# KiCad board motherboard.kicad_pcb (continued)
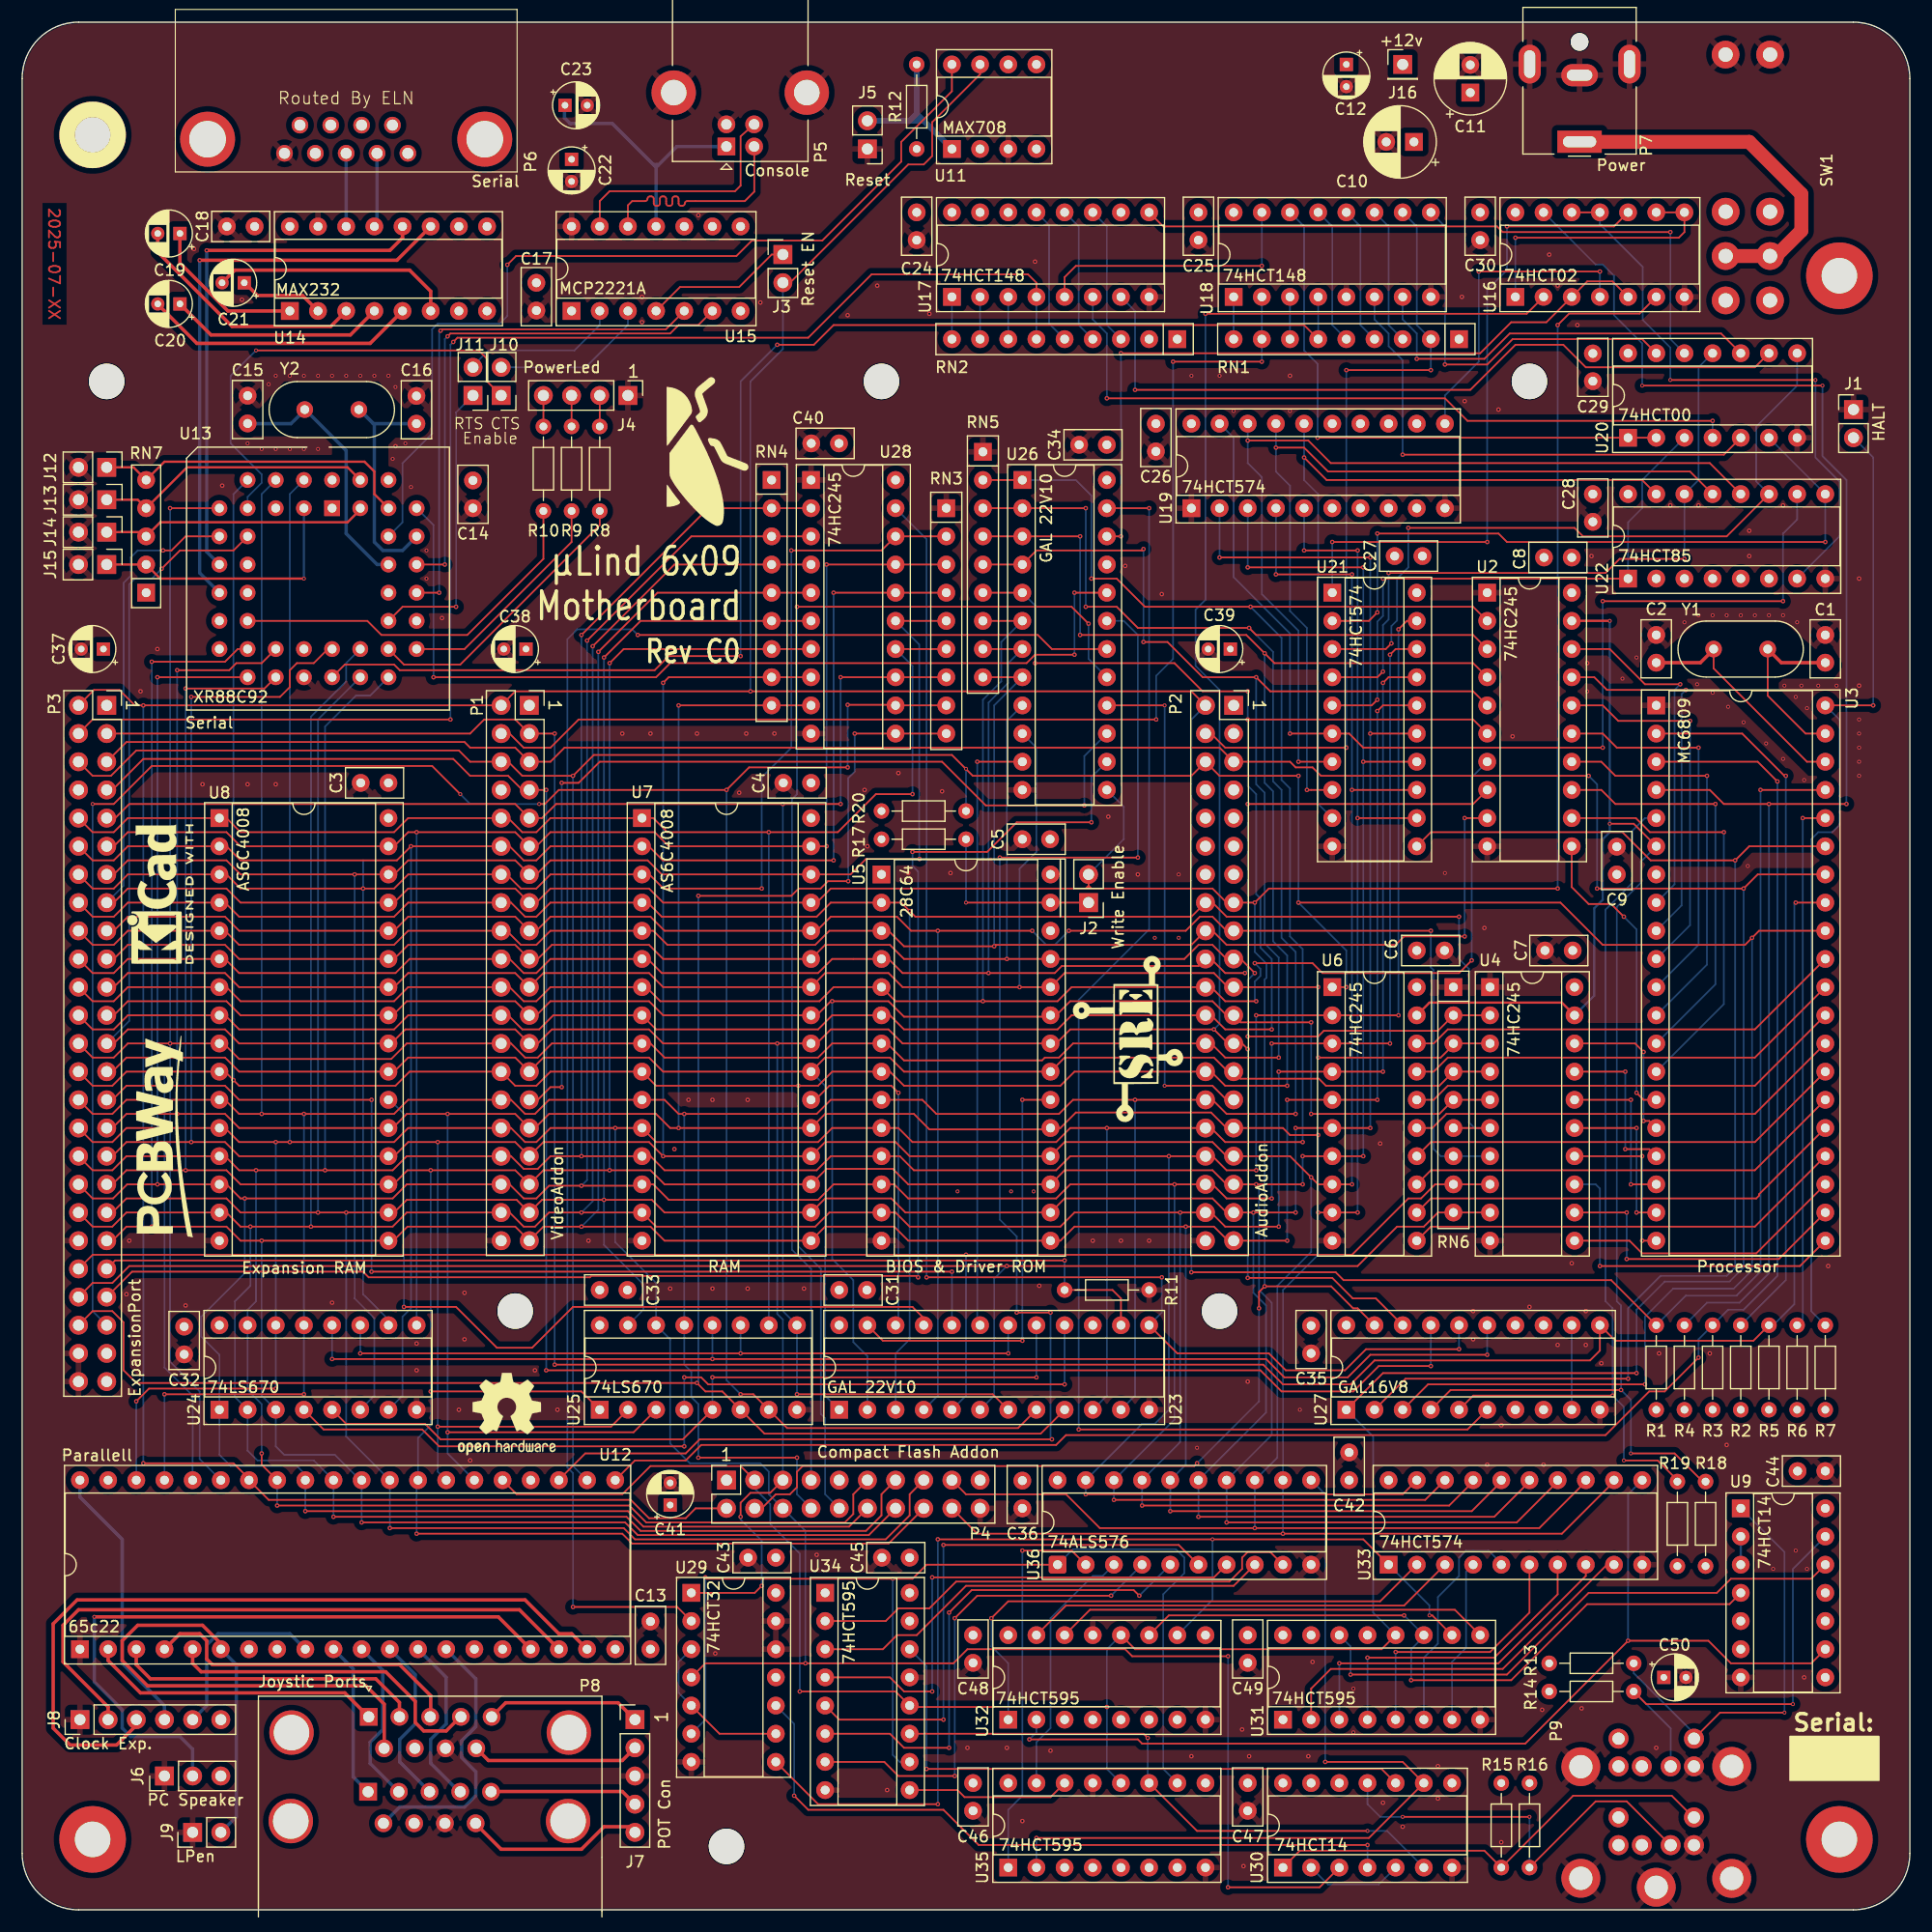
[diagram p0: board, top side]
## Footprints (pads in the part's own frame, mm; a bottom-side part is the same pattern mirrored in y, then rotated) (continued)
DSUB-9-Double_NorComp
  round 4 hole 3.2: 0(-7.027,-9.398) 0(-6.96,-1.42) 0(17.973,-9.398) 0(18.04,-1.42)
  rect 1.6x1.6 hole 1: 1(0,0) 11(-0.056,-6.756)
  round 1.6 hole 1: 2(2.77,0) 3(5.54,0) 4(8.31,0) 5(11.08,0) 6(1.385,-2.84) 7(4.155,-2.84) 8(6.925,-2.84) 9(9.695,-2.84) 12(2.714,-6.756) 13(5.484,-6.756) 14(8.254,-6.756) 15(11.024,-6.756) 16(1.329,-9.596) 17(4.099,-9.596) 18(6.869,-9.596) 19(9.639,-9.596)
mITX
  round 6 hole 3.2 unplated: (6.35,160.02) (6.35,6.35) (163.83,147.32) (163.83,6.35)
MountingHole_3.2mm_M3_ISO7380
  round 3.2 hole 3.2 unplated: (0,0)
PinHeader_1x01_P2.54mm_Vertical
  rect 1.7x1.7 hole 1: 1(0,0)
PinHeader_1x02_P2.54mm_Vertical
  rect 1.7x1.7 hole 1: 1(0,0)
  oval 1.7x1.7 hole 1: 2(0,-2.54)
PinHeader_1x02_P2.54mm_Vertical#2
  rect 1.7x1.7 hole 1: 1(0,0)
  round 1.7 hole 1: 2(0,-2.54)
PinHeader_1x03_P2.54mm_Vertical
  rect 1.7x1.7 hole 1: 1(0,0)
  oval 1.7x1.7 hole 1: 2(0,-2.54) 3(0,-5.08)
PinHeader_1x04_P2.54mm_Vertical
  rect 1.7x1.7 hole 1: 1(0,0)
  oval 1.7x1.7 hole 1: 2(0,-2.54) 3(0,-5.08) 4(0,-7.62)
PinHeader_1x05_P2.54mm_Vertical
  rect 1.7x1.7 hole 1: 1(0,0)
  oval 1.7x1.7 hole 1: 2(0,-2.54) 3(0,-5.08) 4(0,-7.62) 5(0,-10.16)
PinHeader_1x06_P2.54mm_Vertical
  rect 1.7x1.7 hole 1: 1(0,0)
  oval 1.7x1.7 hole 1: 2(0,-2.54) 3(0,-5.08) 4(0,-7.62) 5(0,-10.16) 6(0,-12.7)
PinSocket_2x10_P2.54mm_Vertical
  rect 1.7x1.7 hole 1: 1(0,0)
  oval 1.7x1.7 hole 1: 2(-2.54,0) 3(0,-2.54) 4(-2.54,-2.54) 5(0,-5.08) 6(-2.54,-5.08) 7(0,-7.62) 8(-2.54,-7.62) 9(0,-10.16) 10(-2.54,-10.16) 11(0,-12.7) 12(-2.54,-12.7) 13(0,-15.24) 14(-2.54,-15.24) 15(0,-17.78) 16(-2.54,-17.78) 17(0,-20.32) 18(-2.54,-20.32) 19(0,-22.86) 20(-2.54,-22.86)
PinSocket_2x20_P2.54mm_Vertical
  rect 1.7x1.7 hole 1: 1(0,0)
  oval 1.7x1.7 hole 1: 2(-2.54,0) 3(0,-2.54) 4(-2.54,-2.54) 5(0,-5.08) 6(-2.54,-5.08) 7(0,-7.62) 8(-2.54,-7.62) 9(0,-10.16) 10(-2.54,-10.16) 11(0,-12.7) 12(-2.54,-12.7) 13(0,-15.24) 14(-2.54,-15.24) 15(0,-17.78) 16(-2.54,-17.78) 17(0,-20.32) 18(-2.54,-20.32) 19(0,-22.86) 20(-2.54,-22.86) 21(0,-25.4) 22(-2.54,-25.4) 23(0,-27.94) 24(-2.54,-27.94) 25(0,-30.48) 26(-2.54,-30.48) 27(0,-33.02) 28(-2.54,-33.02) 29(0,-35.56) 30(-2.54,-35.56) 31(0,-38.1) 32(-2.54,-38.1) 33(0,-40.64) 34(-2.54,-40.64) 35(0,-43.18) 36(-2.54,-43.18) 37(0,-45.72) 38(-2.54,-45.72) 39(0,-48.26) 40(-2.54,-48.26)
PinSocket_2x25_P2.54mm_Vertical
  rect 1.7x1.7 hole 1: 1(0,0)
  oval 1.7x1.7 hole 1: 2(-2.54,0) 3(0,-2.54) 4(-2.54,-2.54) 5(0,-5.08) 6(-2.54,-5.08) 7(0,-7.62) 8(-2.54,-7.62) 9(0,-10.16) 10(-2.54,-10.16) 11(0,-12.7) 12(-2.54,-12.7) 13(0,-15.24) 14(-2.54,-15.24) 15(0,-17.78) 16(-2.54,-17.78) 17(0,-20.32) 18(-2.54,-20.32) 19(0,-22.86) 20(-2.54,-22.86) 21(0,-25.4) 22(-2.54,-25.4) 23(0,-27.94) 24(-2.54,-27.94) 25(0,-30.48) 26(-2.54,-30.48) 27(0,-33.02) 28(-2.54,-33.02) 29(0,-35.56) 30(-2.54,-35.56) 31(0,-38.1) 32(-2.54,-38.1) 33(0,-40.64) 34(-2.54,-40.64) 35(0,-43.18) 36(-2.54,-43.18) 37(0,-45.72) 38(-2.54,-45.72) 39(0,-48.26) 40(-2.54,-48.26) 41(0,-50.8) 42(-2.54,-50.8) 43(0,-53.34) 44(-2.54,-53.34) 45(0,-55.88) 46(-2.54,-55.88) 47(0,-58.42) 48(-2.54,-58.42) 49(0,-60.96) 50(-2.54,-60.96)
PLCC-44_THT-Socket
  rect 1.422x1.422 hole 0.8: 1(0,0)
  round 1.422 hole 0.8: 2(-2.54,2.54) 3(-2.54,0) 4(-5.08,2.54) 5(-5.08,0) 6(-7.62,2.54) 7(-10.16,0) 8(-7.62,0) 9(-10.16,-2.54) 10(-7.62,-2.54) 11(-10.16,-5.08) 12(-7.62,-5.08) 13(-10.16,-7.62) 14(-7.62,-7.62) 15(-10.16,-10.16) 16(-7.62,-10.16) 17(-10.16,-12.7) 18(-7.62,-15.24) 19(-7.62,-12.7) 20(-5.08,-15.24) 21(-5.08,-12.7) 22(-2.54,-15.24) 23(-2.54,-12.7) 24(0,-15.24) 25(0,-12.7) 26(2.54,-15.24) 27(2.54,-12.7) 28(5.08,-15.24) 29(7.62,-12.7) 30(5.08,-12.7) 31(7.62,-10.16) 32(5.08,-10.16) 33(7.62,-7.62) 34(5.08,-7.62) 35(7.62,-5.08) 36(5.08,-5.08) 37(7.62,-2.54) 38(5.08,-2.54) 39(7.62,0) 40(5.08,2.54) 41(5.08,0) 42(2.54,2.54) 43(2.54,0) 44(0,2.54)
R_Array_SIP5
  rect 1.6x1.6 hole 0.8: 1(0,0)
  round 1.6 hole 0.8: 2(2.54,0) 3(5.08,0) 4(7.62,0) 5(10.16,0)
R_Array_SIP9
  rect 1.6x1.6 hole 0.8: 1(0,0)
  oval 1.6x1.6 hole 0.8: 2(2.54,0) 3(5.08,0) 4(7.62,0) 5(10.16,0) 6(12.7,0) 7(15.24,0) 8(17.78,0) 9(20.32,0)
R_Axial_DIN0204_L3.6mm_D1.6mm_P7.62mm_Horizontal
  round 1.4 hole 0.7: 1(0,0)
  oval 1.4x1.4 hole 0.7: 2(7.62,0)
USB_B_Lumberg_2411_02_Horizontal
  rect 1.6x1.6 hole 0.95: 1(0,0)
  round 1.6 hole 0.95: 2(0,-2.5) 3(2,-2.5) 4(2,0)
  round 4 hole 2.3: 5(4.86,4.75) 5(4.86,-7.25)

## Nets
+12V: J16.1 P1.8 P2.8 P3.8
GND: C1.2 C2.2 C3.2 C4.2 C5.2 C6.2 C7.2 C8.2 C9.2 C10.2 C11.2 C12.2 C13.2 C14.2 C15.2 C16.2 C17.2 C18.2 C22.2 C23.2 C24.2 C25.2 C26.2 C27.2 C28.2 C29.2 C30.2 C31.2 C32.2 C33.2 C34.2 C35.2 C36.2 C37.2 C38.2 C39.2 C40.2 C41.2 C42.2 C43.2 C44.2 C45.2 C46.2 C47.2 C48.2 C49.2 C50.2 J1.1 J4.1 J5.1 J6.1 J7.3 J8.1 J9.1 J12.2 J13.2 J14.2 J15.2 P1.40 P2.40 P3.40 P3.48 P3.50 P4.20 P5.4 P5.5 P6.5 P7.2 P7.MP P8.8 P8.18 P9.3 P9.9 P9.G R11.2 RN3.1 RN5.1 RN6.1 SW1.G U2.1 U2.10 U3.1 U4.1 U4.10 U5.14 U6.10 U7.16 U8.16 U9.7 U11.3 U12.1 U13.22 U14.15 U15.14 U16.7 U17.8 U18.5 U18.8 U19.1 U19.10 U20.7 U21.10 U22.8 U23.12 U24.8 U25.8 U26.12 U27.10 U28.1 U28.10 U29.7 U29.12 U29.13 U30.7 U31.8 U31.13 U32.8 U32.13 U33.10 U34.8 U34.13 U35.8 U35.13 U36.10
VCC: C3.1 C4.1 C5.1 C6.1 C7.1 C8.1 C9.1 C10.1 C11.1 C12.1 C13.1 C14.1 C17.1 C18.1 C22.1 C24.1 C25.1 C26.1 C27.1 C28.1 C29.1 C30.1 C31.1 C32.1 C33.1 C34.1 C35.1 C36.1 C37.1 C38.1 C39.1 C40.1 C41.1 C42.1 C43.1 C44.1 C45.1 C46.1 C47.1 C48.1 C49.1 C50.1 J6.3 J8.6 P1.1 P2.1 P3.1 P3.47 P3.49 P4.1 P8.7 P8.17 P9.4 P9.10 R1.2 R2.2 R3.2 R4.2 R5.2 R6.2 R7.2 R12.1 R13.1 R14.1 R15.1 R16.1 R17.2 R18.1 R19.1 R20.2 RN1.1 RN2.1 RN4.1 RN7.1 SW1.3 SW1.6 U2.20 U3.7 U4.20 U5.28 U6.20 U7.32 U8.32 U9.5 U9.11 U9.14 U11.2 U12.20 U12.24 U13.44 U14.16 U15.1 U16.14 U17.16 U18.16 U19.20 U20.14 U21.20 U22.2 U22.3 U22.4 U22.16 U23.24 U24.16 U25.16 U26.24 U27.20 U28.20 U29.14 U30.13 U30.14 U31.16 U32.16 U33.20 U34.16 U35.16 U36.20
/A0: P1.32 P2.32 P3.32 P4.6 RN5.2 U2.2 U5.10 U7.12 U8.12 U12.38 U13.2 U23.10 U24.14 U25.14 U26.1 U29.4 U30.3
/A1: P1.30 P2.30 P3.30 P4.8 RN5.3 U2.3 U5.9 U7.11 U8.11 U12.37 U13.4 U23.11 U24.13 U25.13 U26.2
/A2: P1.28 P2.28 P3.28 P4.10 RN5.4 U2.4 U5.8 U7.10 U8.10 U12.36 U13.6 U26.3
/A3: P1.26 P2.26 P3.26 RN5.5 U2.5 U5.7 U7.9 U8.9 U12.35 U13.7 U26.4
/A4: P1.24 P2.24 P3.24 RN5.6 U2.6 U5.6 U7.8 U8.8 U26.5
/A5: P1.22 P2.22 P3.22 RN5.7 U2.7 U5.5 U7.7 U8.7 U26.6
/A6: P1.20 P2.20 P3.20 RN5.8 U2.8 U5.4 U7.6 U8.6 U26.7
/A7: P1.18 P2.18 P3.18 RN5.9 U2.9 U5.3 U7.5 U8.5 U26.8
/A8: P1.19 P2.19 P3.19 RN6.2 U4.2 U5.25 U7.27 U8.27 U26.9
/A9: P1.21 P2.21 P3.21 RN6.3 U4.3 U5.24 U7.26 U8.26 U26.10
/A10: P1.27 P2.27 P3.27 RN6.4 U4.4 U5.21 U7.23 U8.23 U23.1
/A11: P1.23 P2.23 P3.23 RN6.5 U4.5 U5.23 U7.25 U8.25 U23.2
/A12: P1.16 P2.16 P3.16 RN6.6 U4.6 U5.2 U7.4 U8.4 U23.3
/A13: P1.17 P2.17 P3.17 RN6.7 U4.7 U7.28 U8.28 U23.4
/A14: P3.42 RN6.8 U4.8 U23.5
/A15: P3.44 RN6.9 U4.9 U23.6
/Address-Logic/A14/A0: U23.17 U24.5 U25.5
/Address-Logic/A15/A1: U23.16 U24.4 U25.4
/Address-Logic/BA: R18.2 U2.19 U3.6 U4.19 U6.19 U27.4
/Address-Logic/BS: R19.2 U3.5 U27.5
/Address-Logic/Q: U3.35 U21.11 U27.2
/Address-Logic/~{CF_EN}: P4.7 U26.17
/Address-Logic/~{EXP_EN}: P3.43 U26.14
/Address-Logic/~{IO_EN}: U23.19 U26.11
/Address-Logic/~{IRQ_EN}: U16.3 U16.5 U26.22
/Address-Logic/~{MAP_RD}: U23.18 U24.11 U25.11
/Address-Logic/~{MEM_EN}: U26.23 U27.6
/Address-Logic/~{MEM_RD}: U23.13 U27.16 U28.19
/Address-Logic/~{MEM_WR}: U24.12 U25.12 U27.15
/Address-Logic/~{PAR_EN}: U12.23 U26.19
/Address-Logic/~{PS2_EN}: U26.18 U29.2
/Address-Logic/~{RAMH_EN}: U8.22 U23.21
/Address-Logic/~{RAML_EN}: U7.22 U23.22
/Address-Logic/~{ROM_EN}: U5.20 U23.23
/Address-Logic/~{SER_EN}: U13.39 U26.20
/Address-Logic/~{SND_EN}: P2.29 U26.16
/Address-Logic/~{VDC_EN}: P1.29 U26.15
/AM14: P1.14 P3.14 RN3.2 U7.3 U8.3 U24.10 U28.18
/AM15: P1.11 P3.11 RN3.3 U7.31 U8.31 U24.9 U28.17
/AM16: P1.12 P3.12 RN3.4 U7.2 U8.2 U24.7 U28.16
/AM17: P1.13 P3.13 RN3.5 U7.30 U8.30 U24.6 U28.15
/AM18: P1.10 P3.10 RN3.6 U7.1 U8.1 U25.10 U28.14
/AM19: P1.9 P3.9 RN3.7 U23.7 U25.9 U28.13
/AM20: P3.45 RN3.8 U23.8 U25.7 U28.12
/AM21: P3.46 RN3.9 U23.9 U25.6 U28.11
/CPU_MEM/MRDY: R6.1 U3.36
/CPU_MEM/pA0: U2.18 U3.8
/CPU_MEM/pA1: U2.17 U3.9
/CPU_MEM/pA2: U2.16 U3.10
/CPU_MEM/pA3: U2.15 U3.11
/CPU_MEM/pA4: U2.14 U3.12
/CPU_MEM/pA5: U2.13 U3.13
/CPU_MEM/pA6: U2.12 U3.14
/CPU_MEM/pA7: U2.11 U3.15
/CPU_MEM/pA8: U3.16 U4.18
/CPU_MEM/pA9: U3.17 U4.17
/CPU_MEM/pA10: U3.18 U4.16
/CPU_MEM/pA11: U3.19 U4.15
/CPU_MEM/pA12: U3.20 U4.14
/CPU_MEM/pA13: U3.21 U4.13
/CPU_MEM/pA14: U3.22 U4.12
/CPU_MEM/pA15: U3.23 U4.11
/CPU_MEM/pD0: U3.31 U6.18
/CPU_MEM/pD1: U3.30 U6.17
/CPU_MEM/pD2: U3.29 U6.16
/CPU_MEM/pD3: U3.28 U6.15
/CPU_MEM/pD4: U3.27 U6.14
/CPU_MEM/pD5: U3.26 U6.13
/CPU_MEM/pD6: U3.25 U6.12
/CPU_MEM/pD7: U3.24 U6.11
/CPU_MEM/~{FIRQ}: R4.1 U3.4 U16.13
/CPU_MEM/~{HALT}: J1.2 R7.1 U3.40
/CPU_MEM/~{IRQ}: R3.1 U3.3 U12.21
/CPU_MEM/~{NMI}: R2.1 U3.2
/D0: P1.34 P2.34 P3.34 P4.11 RN4.2 U5.11 U6.2 U7.13 U8.13 U12.33 U13.28 U21.19 U24.15 U28.2 U33.19 U36.19
/D1: P1.36 P2.36 P3.36 P4.12 RN4.3 U5.12 U6.3 U7.14 U8.14 U12.32 U13.18 U21.18 U24.1 U28.3 U33.18 U36.18
/D2: P1.38 P2.38 P3.38 P4.13 RN4.4 U5.13 U6.4 U7.15 U8.15 U12.31 U13.27 U21.17 U24.2 U28.4 U33.17 U36.17
/D3: P1.39 P2.39 P3.39 P4.14 RN4.5 U5.15 U6.5 U7.17 U8.17 U12.30 U13.19 U21.16 U24.3 U28.5 U33.16 U36.16
/D4: P1.37 P2.37 P3.37 P4.15 RN4.6 U5.16 U6.6 U7.18 U8.18 U12.29 U13.26 U19.2 U21.15 U25.15 U28.6 U33.15 U36.15
/D5: P1.35 P2.35 P3.35 P4.16 RN4.7 U5.17 U6.7 U7.19 U8.19 U12.28 U13.20 U19.3 U21.14 U25.1 U28.7 U33.14 U36.14
/D6: P1.33 P2.33 P3.33 P4.17 RN4.8 U5.18 U6.8 U7.20 U8.20 U12.27 U13.25 U19.4 U21.13 U25.2 U28.8 U33.13 U36.13
/D7: P1.31 P2.31 P3.31 P4.18 RN4.9 U5.19 U6.9 U7.21 U8.21 U12.26 U13.21 U19.5 U21.12 U25.3 U28.9 U33.12 U36.12
/Expansion Ports/BAVAIL: P1.7 P3.7 U27.17
/Expansion Ports/E: P1.5 P2.5 P3.5 P4.3 U3.34 U12.25 U27.1 U31.12 U32.12 U34.12 U35.12
/Expansion Ports/R/~{W}: P1.6 P2.6 P3.6 R20.1 U3.32 U6.1 U12.22 U27.3
/Expansion Ports/~{BREQ}: P1.3 P3.3 R5.1 U3.33 U27.11
/Expansion Ports/~{MAP_EN}: P3.41 R11.1 U23.14
/Expansion Ports/~{RAMX_EN}: P3.29 U23.20
/Expansion Ports/~{RD}: P1.25 P2.25 P3.25 P4.5 U5.22 U7.24 U8.24 U13.10 U16.2 U27.18 U29.1
/Expansion Ports/~{RST}: J3.2 P1.2 P2.2 P3.2 P4.2 R1.1 U3.37 U11.7 U12.34
/Expansion Ports/~{WR}: J2.2 P1.15 P2.15 P3.15 P4.4 U7.29 U8.29 U13.9 U16.6 U26.13 U27.19
/Power-Management/RST: U11.8 U13.38
/PS2/M_CLK: U9.4 U31.11 U32.11
/PS2/M_DATA: U9.12 U31.14
/PS2/PS2_KB_CLK: P9.11 R15.2 U30.1
/PS2/PS2_KB_DATA: P9.7 R16.2 U30.11
/PS2/PS2_M_CLK: P9.5 R13.2 U9.1
/PS2/PS2_M_DATA: P9.1 R14.2 U9.13
/PS2/~{INT_PS2_KB}: U30.8
/PS2/~{INT_PS2_M}: U9.8
/Serial-Parallel/D+: P5.3 U15.13
/Serial-Parallel/D-: P5.2 U15.12
/~{IRQ_0}: RN2.6 U13.24 U18.4
/~{IRQ_1}: RN2.7 U18.3
/~{IRQ_2}: P1.4 RN2.8 U18.2
/~{IRQ_3}: RN2.9 U18.1
/~{IRQ_4}: RN2.5 U18.13
/~{IRQ_5}: RN2.4 U18.12
/~{IRQ_6}: RN2.3 U18.11
/~{IRQ_7}: P2.4 RN2.2 U18.10
/~{IRQ_8}: P3.4 RN1.6 U17.4
/~{IRQ_9}: RN1.7 U17.3
/~{IRQ_10}: RN1.8 U17.2
/~{IRQ_11}: RN1.9 U17.1
/~{IRQ_12}: RN1.5 U17.13
/~{IRQ_13}: RN1.4 U17.12
/~{IRQ_14}: RN1.3 U17.11
~{RD}': U27.9 U27.12
Net-(J2-Pin_1): J2.1 R17.1 U5.27
Net-(J3-A): J3.1 U15.4
Net-(J4-BA): J4.4 R10.1
Net-(J4-GA): J4.3 R9.1
Net-(J4-RA): J4.2 R8.1
Net-(J6-Pin_2): J6.2 U12.17
Net-(J7-Pin_1): J7.1 P8.5
Net-(J7-Pin_2): J7.2 P8.9
Net-(J7-Pin_4): J7.4 P8.15
Net-(J7-Pin_5): J7.5 P8.19
Net-(J8-Pin_2): J8.2 U12.18
Net-(J8-Pin_3): J8.3 U12.19
Net-(J8-Pin_4): J8.4 U12.40
Net-(J8-Pin_5): J8.5 U12.9
Net-(J9-Pin_2): J9.2 P8.6 U12.6
Net-(J10-A): J10.1 U13.8
Net-(J10-B): J10.2 U15.3
Net-(J11-A): J11.1 U13.32
Net-(J11-B): J11.2 U15.2
Net-(J12-A): J12.1 RN7.5 U13.41
Net-(J13-A): J13.1 RN7.4 U13.42
Net-(J14-A): J14.1 RN7.3 U13.43
Net-(J15-A): J15.1 RN7.2 U13.3
Net-(P5-VBUS): C23.1 P5.1 U15.11
Net-(SW1-1-C): P7.1 SW1.1 SW1.4
Net-(U3-EXTAL): C2.1 U3.38 Y1.1
Net-(U3-XTAL): C1.1 U3.39 Y1.2
Net-(U9-Pad2): U9.2 U9.3
Net-(U11-~{MR}): J5.2 R12.2 U11.1
Net-(U12-PA0): P8.1 U12.2
Net-(U12-PA1): P8.2 U12.3
Net-(U12-PA2): P8.3 U12.4
Net-(U12-PA3): P8.4 U12.5
Net-(U12-PB0): P8.11 U12.10
Net-(U12-PB1): P8.12 U12.11
Net-(U12-PB2): P8.13 U12.12
Net-(U12-PB3): P8.14 U12.13
Net-(U12-PB4): P8.16 U12.14
Net-(U13-OP4): R8.2 U13.30
Net-(U13-OP5): R10.2 U13.16
Net-(U13-OP6): R9.2 U13.29
Net-(U13-RxA): U13.35 U15.6
Net-(U13-RxB): U13.11 U14.12
Net-(U13-TxA): U13.33 U15.5
Net-(U13-TxB): U13.13 U14.11
Net-(U13-X1/CLK): C15.1 U13.36 Y2.2
Net-(U13-X2): C16.1 U13.37 Y2.1
Net-(U14-C1+): C19.1 U14.1
Net-(U14-C1-): C19.2 U14.3
Net-(U14-C2+): C20.1 U14.4
Net-(U14-C2-): C20.2 U14.5
Net-(U14-R1IN): P6.2 U14.13
Net-(U14-T1OUT): P6.3 U14.14
Net-(U14-VS+): C21.1 U14.2
Net-(U14-VS-): C21.2 U14.6
Net-(U16-Pad1): U16.1 U16.8 U16.9
Net-(U17-EI): U17.5 U18.15
Net-(U17-S0): U17.9 U20.12
Net-(U17-S1): U17.7 U20.9
Net-(U17-S2): U17.6 U20.4
Net-(U18-GS): U18.14 U20.1 U20.2
Net-(U18-S0): U18.9 U20.13
Net-(U18-S1): U18.7 U20.10
Net-(U18-S2): U18.6 U20.5
Net-(U19-Cp): U16.4 U19.11
Net-(U19-Q0): U19.19 U21.6 U22.10
Net-(U19-Q1): U19.18 U21.7 U22.12
Net-(U19-Q2): U19.17 U21.8 U22.13
Net-(U19-Q3): U19.16 U21.9 U22.15
Net-(U21-D0): U20.6 U21.2 U22.9
Net-(U21-D1): U20.8 U21.3 U22.11
Net-(U21-D2): U20.11 U21.4 U22.14
Net-(U21-D3): U20.3 U21.5 U22.1
Net-(U21-OE): U16.10 U21.1
Net-(U22-Oa<b): U16.11 U16.12 U22.7
Net-(U29-Pad3): U29.3 U29.5 U29.9
Net-(U29-Pad10): U29.10 U30.4
Net-(U30-Pad2): U30.2 U30.5
Net-(U31-QC): U31.2 U33.9
Net-(U31-QD): U31.3 U33.8
Net-(U31-QE): U31.4 U33.7
Net-(U31-QF): U31.5 U33.6
Net-(U31-QG): U31.6 U33.5
Net-(U31-QH'): U31.9 U32.14
Net-(U31-QH): U31.7 U33.4
Net-(U31-~{SRCLR}): U29.8 U31.10 U32.10 U33.1
Net-(U32-QA): U32.15 U33.3
Net-(U32-QB): U32.1 U33.2
Net-(U32-QC): U9.9 U32.2 U33.11
Net-(U34-QC): U34.2 U36.9
Net-(U34-QD): U34.3 U36.8
Net-(U34-QE): U34.4 U36.7
Net-(U34-QF): U34.5 U36.6
Net-(U34-QG): U34.6 U36.5
Net-(U34-QH'): U34.9 U35.14
Net-(U34-QH): U34.7 U36.4
Net-(U34-SER): U30.10 U34.14
Net-(U34-SRCLK): U30.6 U34.11 U35.11
Net-(U34-~{SRCLR}): U29.6 U34.10 U35.10 U36.1
Net-(U35-QA): U35.15 U36.3
Net-(U35-QB): U35.1 U36.2
Net-(U35-QC): U30.9 U35.2 U36.11

Pads without a net: P2 3 7 9 10 11 12 13 14; P4 9 19; P6 1 4 6 7 8 9 MH1 MH2; P8 0; P9 2 6 8 12; RN1 2; SW1 2 5; U5 1 26; U9 6 10; U11 4 5 6; U12 7 8 15 16 39; U13 1 5 12 14 15 17 23 31 34 40; U14 7 8 9 10; U15 7 8 9 10; U17 10 14 15; U19 6 7 8 9 12 13 14 15; U22 5 6; U23 15; U26 21; U27 7 8 13 14; U29 11; U30 12; U31 1 15; U32 3 4 5 6 7 9; U34 1 15; U35 3 4 5 6 7 9

## Via types
v1: diameter 0.4, hole 0.2, Top to Bottom, 506 vias
v2: diameter 0.35, hole 0.2, Top to Bottom, 97 vias

## Routing (per net, layer and track width the routed paths; a pad name or vN(x,y) marks a point on that pad's centre or on a via; arc(x,y) is an arc through that point)
+12V: length 418.3
  Top w0.152: 43.94,100.97 P1.8
  In1.Cu w1.25: P1.8 41.78,100.97 38.23,104.52 23.62,104.52 11.63,116.51 4.67,116.51 ; 3.45,115.29 3.19,115.56 3.19,118 ; 3.45,115.29 2.34,114.17 ; 3.45,115.29 4.67,116.51 ; 2.34,114.17 2.34,119 ; 2.34,114.17 2.34,102.34 3.71,100.97 P3.8 ; 2.34,119 2.34,166.04 5.21,168.91 121.92,168.91 J16.1 126.87,168.78 131.95,168.78 133.22,167.51 133.22,163.45 134.24,162.43 161.42,162.43 167.89,155.96 167.89,132.21 165.99,130.3 138.94,130.3 138.18,129.54 104.65,129.54 103.25,128.14 103.25,122.55 104.52,121.28 104.52,101.73 105.28,100.97 P2.8 ; 2.34,119 2.34,118.85 3.19,118 ; 4.67,116.51 3.19,118
GND: length 0.5
  Bottom w0.152: 165.61,135.25 J1.1
  vias: v1(9.4,55.5) v1(9.65,60.32) v1(10.67,109.85) v1(12.19,113.66) v1(14.73,54.48) v1(15.49,149.73) v1(16.26,101.47) v1(18.03,128.4) v1(19.81,145.16) v1(20.32,101.47) v1(22.86,101.47) v1(27.94,54.74) v1(33.66,131.95) v1(35.56,51.05) v1(35.56,48.64) v1(37.85,116.46) v1(39.37,45.08) v1(39.88,55.63) v1(39.88,51.44) v1(40.39,40.51) v1(46.23,48.64) v1(48.26,45.08) v1(51.05,60.32) v1(54.1,106.04) v1(55.88,145.41) v1(55.88,143.13) v1(56.64,106.04) v1(58.42,56.01) v1(58.8,68.58) v1(60.07,73.02) v1(60.83,106.04) v1(60.96,152.78) v1(62.23,73.02) v1(62.23,56.01) v1(62.48,23.11) v1(64.64,100.71) v1(65.28,106.04) v1(65.41,73.02) v1(65.41,56.01) v1(66.55,144.91) v1(67.82,106.04) v1(70.48,56.01) v1(71.63,32) v1(74.42,143.76) v1(75.95,100.97) v1(76.2,95.88) v1(77.09,146.43) v1(77.98,10.79) v1(78.99,102.49) v1(79.88,93.47) v1(81.79,143.89) v1(82.93,100.84) v1(83.69,93.47) v1(85.22,14.6) v1(88.77,14.6) v1(90.17,8) v1(91.31,148.59) v1(91.69,56.26) v1(92.71,14.35) v1(96.52,60.32) v1(97.92,98.55) v1(99.06,60.32) v1(99.44,121.16) v1(100.58,93.34) v1(101.6,60.32) v1(102.74,118.62) v1(105.41,13.84) v1(109.98,16.26) v1(110.11,3.94) v1(110.49,47.62) v1(110.62,13.84) v1(114.3,138.3) v1(115.95,13.84) v1(116.33,22.35) v1(122.43,69.09) v1(122.68,9.65) v1(124.46,7.49) v1(127.64,12.95) v1(127.64,10.03) v1(129.79,145.41) v1(130.05,136.02) v1(130.81,53.97) v1(130.81,51.44) v1(131.83,88.52) v1(132.08,40.13) v1(133.1,135.25) v1(133.35,43.69) v1(133.35,6.1) v1(134.37,105.79) v1(135.89,54.36) v1(137.03,18.03) v1(137.16,40.13) v1(137.67,149.22) v1(138.43,146.43) v1(138.43,50.93) v1(139.7,58.29) v1(140.21,142.88) v1(140.59,18.16) v1(140.97,53.97) v1(140.97,50.93) v1(141.1,112.39) v1(141.48,122.05) v1(142.37,49.28) v1(147.32,14.6) v1(147.57,50.16) v1(148.59,126.62) v1(151.13,126.62) v1(152.15,50.16) v1(153.67,41.91) v1(155.7,124.33) v1(155.7,122.05) v1(158.75,126.62) v1(160.66,20.95) v1(162.81,58.04) v1(165.61,120.01) v1(165.61,110.36) v2(20.32,132.21) v2(21.59,131.7) v2(22.22,137.54) v2(22.86,138.3) v2(22.86,131.7) v2(24.13,138.3) v2(24.13,131.7) v2(25.4,138.3) v2(25.4,131.7) v2(26.67,138.3) v2(26.67,131.7) v2(27.94,138.3) v2(29.21,138.3) v2(30.48,138.3) v2(31.75,138.3) v2(33.02,138.3) v2(33.4,130.81) v2(33.66,137.29) v2(34.54,132.21) v2(35.05,128.27) v2(36.45,122.55) v2(36.45,120.01) v2(84.33,64.77) v2(89.15,64.77) v2(91.19,64.77) v2(102.11,87.63) v2(104.27,93.34) v2(104.27,87.63) v2(105.41,138.3) v2(105.92,41.66) v2(107.95,138.3) v2(109.22,135.13) v2(114.3,135.13) v2(115.19,45.08) v2(120.02,19.94) v2(120.02,16) v2(128.27,93.47) v2(141.1,109.85) v2(144.27,111) v2(145.54,112.9) v2(149.86,116.08) v2(151,110.49) v2(151.13,116.71) v2(152.4,116.71) v2(152.4,109.73) v2(153.67,116.71) v2(153.8,108.46) v2(154.94,116.71) v2(155.19,107.06) v2(155.58,94.11) v2(156.21,116.71) v2(157.23,105.16) v2(157.48,116.71) v2(157.86,30.73) v2(158.75,116.71) v2(158.75,103.76) v2(158.88,110.36) v2(159.89,109.35) v2(159.89,32.38) v2(160.02,116.08) v2(160.4,110.36) v2(160.66,101.85) v2(160.91,108.33) v2(160.91,30.73) v2(161.93,110.36) v2(163.58,110.36) v2(165.61,107.31) v2(165.61,106.04) v2(165.61,104.77) v2(165.61,103.5) v2(165.61,102.23)
VCC: length 0
  Bottom w1.25: 153.54,153.13 SW1.3
/A0: length 490.4
  Top w0.152: v1(22.86,46.99) 11.43,46.99 v1(10.29,45.85) ; v1(115.44,69.22) 108.46,69.22 107.19,70.48 P2.32 94.49,70.48 93.22,69.22 80.26,69.22 78.99,70.48 U5.10 73.02,70.48 71.75,69.22 57.15,69.22 U7.12 v1(53.47,70.48) 47.62,70.48 46.35,69.22 45.34,69.22 44.07,70.48 P1.32 34.8,70.48 33.53,69.22 19.56,69.22 18.29,70.48 U8.12 9.4,70.48 8.13,69.22 6.35,69.22 P3.32 ; v1(108.71,2.03) 116.97,2.03 118.74,3.81 ; U26.1 RN5.2 ; U2.2 130.81,117.47 v1(110.74,117.47) 101.22,117.47 98.68,120.01 v1(96.39,120.01) ; v1(108.71,22.86) 100.08,22.86 99.44,23.5 85.22,23.5 83.95,22.22 v1(70.61,22.22) 61.59,22.22 U29.4
  Bottom w0.152: U13.2 24.13,127.63 v1(24.13,69.22) ; v1(70.61,22.22) 70.61,34.16 P4.6 67.31,37.47 67.31,39.5 66.55,40.26 60.2,40.26 58.42,42.04 58.42,51.44 U25.14 57.15,56.51 53.47,60.2 v1(53.47,70.48) ; U12.38 v1(10.29,45.85) ; v1(115.44,69.22) 115.44,86.61 114.3,87.76 114.3,101.09 113.54,101.85 113.54,114.68 v1(110.74,117.47) ; U23.10 97.79,46.35 v1(97.79,70.48) ; v1(96.39,120.01) 96.39,127.51 95,128.9 U26.1 ; v1(22.86,46.99) U24.14 v1(22.86,69.22) ; v1(108.71,22.86) v1(108.71,2.03)
/A1: length 394.2
  Top w0.152: P3.30 6.35,71.75 8.13,71.75 9.4,73.02 U8.11 18.29,73.02 19.56,71.75 33.53,71.75 34.8,73.02 P1.30 44.07,73.02 45.34,71.75 46.23,71.75 47.5,73.02 U7.11 57.91,73.02 59.18,71.75 71.63,71.75 72.9,73.02 U5.9 81.15,73.02 82.42,71.75 93.47,71.75 94.74,73.02 P2.30 107.31,73.02 108.58,71.75 v1(114.81,71.75) ; v1(95.88,117.47) 98.68,117.47 100.58,115.57 v1(110.62,115.57) 111.25,114.94 130.81,114.94 U2.3 ; v1(95.88,126.36) U26.2 RN5.3 ; v1(12.83,46.48) v1(25.4,46.48) ; v1(60.96,40.77) v1(69.85,40.77)
  Bottom w0.152: v1(59.69,71.75) U25.13 59.69,49.15 60.32,48.51 60.32,46.23 60.96,45.59 v1(60.96,40.77) ; v1(114.81,71.75) 114.81,86.36 113.54,87.63 113.54,100.97 112.78,101.73 112.78,113.41 v1(110.62,115.57) ; U23.11 100.33,46.35 v1(100.33,73.02) ; 12.83,38.73 v1(12.83,46.48) ; v1(21.59,71.75) 21.59,127.63 U13.4 ; P4.8 69.85,37.47 v1(69.85,40.77) ; v1(25.4,71.75) U24.13 v1(25.4,46.48) ; v1(95.88,117.47) v1(95.88,126.36)
/A2: length 342.7
  Top w0.152: v1(95.38,123.82) U26.3 RN5.4 ; v1(114.05,74.29) 108.46,74.29 107.19,75.56 P2.28 94.87,75.56 93.6,74.29 79.5,74.29 78.23,75.56 U5.8 73.02,75.56 71.75,74.29 57.15,74.29 U7.10 47.62,75.56 46.35,74.29 44.45,74.29 P1.28 34.92,75.56 33.66,74.29 19.56,74.29 18.29,75.56 U8.10 v1(12.83,75.56) 9.4,75.56 8.13,74.29 6.35,74.29 P3.28 ; v1(95.38,114.94) 110.36,114.94 v1(112.01,113.28) 112.9,112.39 130.81,112.39 U2.4
  Bottom w0.152: P4.10 72.39,37.47 72.39,44.32 72.01,44.7 72.01,57.78 69.98,59.82 v1(69.98,74.29) ; v1(19.05,74.8) 19.05,127.63 U13.6 ; v1(95.38,114.94) v1(95.38,123.82) ; v1(114.05,74.29) 114.05,86.04 112.78,87.31 112.78,100.84 112.01,101.6 v1(112.01,113.28) ; 15.37,38.73 15.37,46.35 12.83,48.89 v1(12.83,75.56)
/A3: length 300.2
  Top w0.152: v1(101.09,122.68) 100.96,122.55 91.44,122.55 U26.4 RN5.5 ; U2.5 130.81,109.85 112.52,109.85 v1(111.25,111.12) 106.43,111.12 103.25,114.3 v1(101.09,114.3) ; P3.26 6.35,76.83 8.25,76.83 9.53,78.1 v1(13.33,78.1) U8.9 18.16,78.1 19.56,76.71 33.27,76.71 34.67,78.1 P1.26 44.07,78.1 45.34,76.83 46.48,76.83 47.75,78.1 U7.9 56.64,78.1 57.91,76.83 71.75,76.83 73.02,78.1 U5.7 77.98,78.1 79.5,76.58 91.95,76.58 92.2,76.83 93.47,76.83 94.74,78.1 P2.26 107.19,78.1 108.46,76.83 v1(113.28,76.83) ; U13.7 v1(13.33,126.36)
  Bottom w0.152: v1(13.33,126.36) v1(13.33,78.1) 13.33,49.4 16,46.74 16,40.64 U12.35 ; v1(101.09,122.68) v1(101.09,114.3) ; v1(111.25,111.12) 111.25,101.47 112.01,100.71 112.01,87.12 113.28,85.85 v1(113.28,76.83)
/A4: length 197.5
  Top w0.152: v1(110.49,107.31) 130.81,107.31 U2.6 ; v1(110.49,109.85) 106.43,109.85 103.89,112.39 v1(91.31,112.39) ; v1(112.65,79.38) 108.46,79.38 107.19,80.64 P2.24 94.61,80.64 93.34,79.38 79.5,79.38 78.23,80.64 U5.6 73.02,80.64 71.75,79.38 57.15,79.38 U7.8 47.88,80.64 46.61,79.38 45.08,79.38 43.81,80.64 P1.24 34.8,80.64 33.53,79.38 19.56,79.38 18.29,80.64 U8.8 9.53,80.64 8.25,79.38 6.35,79.38 P3.24 ; U26.5 RN5.6
  Bottom w0.152: v1(110.49,109.85) v1(110.49,107.31) 110.49,101.35 111.25,100.58 111.25,91.57 111.63,91.19 111.63,86.74 112.65,85.72 v1(112.65,79.38) ; U26.5 91.31,117.6 v1(91.31,112.39)
/A5: length 194.1
  Top w0.152: v1(111.12,85.34) 116.33,85.34 117.22,84.45 129.54,84.45 v1(130.68,85.6) ; P3.22 6.35,81.91 8.25,81.91 9.53,83.19 U8.7 18.41,83.19 19.68,81.91 33.53,81.91 34.8,83.19 P1.22 43.94,83.19 45.21,81.91 46.35,81.91 47.62,83.19 U7.7 56.26,83.19 57.53,81.91 71.88,81.91 73.15,83.19 U5.5 78.74,81.91 v1(86.61,81.91) 93.34,81.91 94.61,83.19 P2.22 107.19,83.19 108.46,81.91 v1(111.25,81.91) ; U26.6 RN5.7
  Bottom w0.152: U26.6 88.27,114.3 88.27,110.74 86.61,109.09 v1(86.61,81.91) ; U2.7 130.68,102.11 v1(130.68,85.6) ; v1(111.25,81.91) 111.12,82.04 111.12,83.69 111.63,84.2 111.63,84.84 v1(111.12,85.34)
/A6: length 182.4
  Top w0.152: v1(110.49,99.69) 130.81,99.69 U2.8 ; U26.7 RN5.8 ; v1(110.24,84.45) 108.46,84.45 107.19,85.72 P2.20 106.05,85.09 93.73,85.09 93.09,84.45 v1(87.12,84.45) 79.38,84.45 78.1,85.72 U5.4 73.02,85.72 71.75,84.45 57.66,84.45 56.39,85.72 U7.6 47.62,85.72 46.35,84.45 45.21,84.45 43.94,85.72 P1.20 34.92,85.72 33.66,84.45 19.56,84.45 18.29,85.72 U8.6 9.53,85.72 8.25,84.45 6.35,84.45 P3.20
  Bottom w0.152: v1(110.24,84.45) 110.49,84.71 v1(110.49,99.69) ; v1(87.12,84.45) 87.12,108.84 88.9,110.62 88.9,112.39 U26.7
/A7: length 172.7
  Top w0.152: P3.18 6.35,87 8.25,87 9.53,88.26 U8.5 18.29,88.26 19.56,87 33.53,87 34.8,88.26 P1.18 43.69,88.26 44.96,87 46.35,87 47.62,88.26 U7.5 56.9,88.26 58.17,87 71.5,87 72.77,88.26 78.1,88.26 79.5,86.87 v1(87.63,86.87) 87.76,87 105.41,87 P2.18 107.31,88.26 108.58,87 123.83,87 124.59,87.76 v1(130.05,87.76) ; U26.8 RN5.9 ; v1(130.05,98.42) U2.9
  Bottom w0.152: U26.8 87.63,108.58 v1(87.63,86.87) ; v1(130.05,87.76) v1(130.05,98.42)
/A8: length 161.3
  Top w0.152: v1(110.49,78.74) 116.84,78.74 117.35,79.25 127.64,79.25 RN6.2 U4.2 ; v1(111.12,84.45) 109.86,85.72 P2.19 108.58,85.72 107.31,87 106.05,87 104.77,85.72 U5.25 v1(88.77,85.72) 79.5,85.72 78.23,87 72.39,87 U7.27 57.78,85.72 56.52,87 47.75,87 46.48,85.72 P1.19 44.45,87 34.8,87 33.53,85.72 U8.27 19.56,85.72 18.29,87 9.53,87 8.25,85.72 P3.19
  Bottom w0.152: v1(88.77,85.72) 88.77,107.19 U26.9 ; v1(111.12,84.45) 110.49,83.82 v1(110.49,78.74)
/A9: length 160.9
  Top w0.152: U4.3 129.16,78.1 127.89,76.83 v1(116.84,76.83) ; v1(116.84,83.19) P2.21 108.71,83.19 107.44,84.45 93.98,84.45 U5.24 v1(89.92,83.19) 79.38,83.19 78.1,84.45 72.39,84.45 U7.26 57.78,83.19 56.52,84.45 46.99,84.45 P1.21 44.45,84.45 34.8,84.45 33.53,83.19 U8.26 19.56,83.19 18.29,84.45 9.53,84.45 8.25,83.19 P3.21
  Bottom w0.152: v1(89.92,83.19) 89.92,93.85 91.44,95.38 91.44,104.77 U26.10 ; v1(116.84,76.83) v1(116.84,83.19)
/A10: length 162.6
  Top w0.152: U4.4 RN6.4 127.76,74.29 117.54,74.29 116.9,74.93 109.86,74.93 P2.27 108.71,75.56 107.44,76.83 93.98,76.83 U5.21 79.5,75.56 78.23,76.83 72.39,76.83 U7.23 57.78,75.56 56.52,76.83 46.99,76.83 P1.27 44.45,76.83 34.8,76.83 33.53,75.56 U8.23 19.56,75.56 18.29,76.83 9.4,76.83 8.13,75.56 P3.27
  Bottom w0.152: U23.1 72.39,46.35 72.39,74.29 U7.23
/A11: length 177.3
  Top w0.152: P3.23 8.25,80.64 9.53,81.91 18.41,81.91 19.68,80.64 U8.25 33.4,80.64 34.67,81.91 44.45,81.91 P1.23 46.35,80.64 47.62,81.91 56.52,81.91 57.78,80.64 U7.25 71.63,80.64 72.9,81.91 78.1,81.91 79.5,80.52 92.58,80.52 U5.23 93.22,80.64 94.49,81.91 107.31,81.91 108.58,80.64 P2.23 109.86,80.01 v1(116.2,80.01) ; v1(116.2,71.75) 127.76,71.75 RN6.5 U4.5
  Bottom w0.152: U23.2 76.2,49.91 74.93,51.18 74.93,56.77 73.02,58.67 v1(73.02,81.91) ; v1(116.2,80.01) v1(116.2,71.75)
/A12: length 200.1
  Top w0.152: P3.16 6.35,89.53 8.25,89.53 9.53,90.8 U8.4 18.29,90.8 19.56,89.53 33.53,89.53 34.8,90.8 P1.16 44.07,90.8 45.34,89.53 46.35,89.53 47.62,90.8 U7.4 56.39,90.8 57.66,89.53 71.63,89.53 72.9,90.8 U5.2 79.25,90.8 80.52,89.53 105.41,89.53 P2.16 107.31,90.8 108.58,89.53 v1(129.54,89.53) ; U4.6 RN6.6
  Bottom w0.152: U4.6 130.94,70.48 130.43,70.99 130.43,84.84 129.54,85.72 v1(129.54,89.53) ; v1(80.01,90.04) 80.01,51.44 78.74,50.16 U23.3
/A13: length 194.5
  Top w0.152: v1(127,88.26) P2.17 108.58,88.26 107.31,89.53 106.17,89.53 104.9,88.26 v1(94.36,88.26) ; P3.17 8.25,88.26 9.53,89.53 18.29,89.53 19.56,88.26 U8.28 33.53,88.26 34.8,89.53 44.45,89.53 P1.17 46.35,88.26 47.62,89.53 56.64,89.53 57.91,88.26 U7.28 71.63,88.26 72.9,89.53 78.87,89.53 80.14,88.26 v1(91.06,88.26)
  Bottom w0.152: U4.7 127.89,67.94 127.25,68.58 127.25,84.71 127,84.96 v1(127,88.26) ; v1(91.06,88.26) 92.33,87 93.09,87 v1(94.36,88.26) ; U23.4 82.55,46.35 v1(82.55,88.26)
/A14: length 144.9
  Top w0.152: P3.42 6.35,59.05 119.89,59.05 124.97,64.13 126.11,64.13 127.38,65.41 U4.8
  Bottom w0.152: U23.5 85.09,46.35 v1(85.09,59.05)
/A15: length 144.4
  Top w0.152: P3.44 6.35,56.51 8.13,56.51 9.65,58.04 120.4,58.04 123.95,61.59 126.36,61.59 127.64,62.86 U4.9
  Bottom w0.152: U23.6 87.63,46.35 87.63,56.9 v1(88.77,58.04)
/Address-Logic/A14/A0: length 73.3
  Top w0.152: U25.5 59.56,42.42 37.72,42.42 36.32,43.81 29.21,43.81 U24.5 ; v1(91.44,48.01) v1(62.23,48.01)
  Bottom w0.152: v1(62.23,48.01) U25.5 ; U23.17 v1(91.44,48.01)
/Address-Logic/A15/A1: length 81.8
  Top w0.152: U24.4 27.18,43.31 36.07,43.31 37.59,41.78 v1(59.69,41.78) ; v1(93.98,47.37) 61.85,47.37 61.21,48.01 v1(59.69,48.01)
  Bottom w0.152: v1(59.69,48.01) U25.4 v1(59.69,41.78) ; U23.16 v1(93.98,47.37)
/Address-Logic/BA: length 142.9
  Top w0.152: U3.6 145.29,97.92 v2(143.13,97.92) ; v2(145.03,41.15) 148.97,41.15 151.51,38.61 R18.2 ; v1(144.15,46.86) 128.78,46.86 U27.4
  Top w0.203: U6.19 126.87,81.79 138.81,81.79 U4.19 ; U2.19 v2(143.13,116.2)
  Bottom w0.152: U3.6 145.92,94.49 145.92,92.58 143.76,90.42 143.76,54.86 144.15,54.48 v1(144.15,46.86) 145.03,45.97 v2(145.03,41.15)
  Bottom w0.203: U4.19 141.73,82.42 141.73,90.3 142.49,91.06 142.49,96.52 143.13,97.16 v2(143.13,116.2)
/Address-Logic/BS: length 81.1
  Top w0.152: v2(144.4,40.51) 147.45,40.51 149.23,38.73 R19.2 ; U27.5 130.81,46.35 v1(143.38,46.35)
  Bottom w0.152: U3.5 146.3,98.42 145.16,97.28 145.16,92.58 142.75,90.17 142.75,54.86 143.38,54.23 v1(143.38,46.35) 144.4,45.34 v2(144.4,40.51)
/Address-Logic/Q: length 117.2
  Top w0.152: U21.11 127,97.16 144.27,97.16 146.81,94.61 v1(154.43,94.61) 155.7,95.88 U3.35 ; v1(144.78,47.88) 124.71,47.88 U27.2
  Bottom w0.152: v1(144.78,47.88) 144.78,54.23 147.7,57.15 153.67,57.15 154.43,57.91 v1(154.43,94.61)
/Address-Logic/~{CF_EN}: length 112.1
  Top w0.152: v1(96.14,115.95) 94.61,117.47 v1(69.85,117.47)
  Bottom w0.152: P4.7 71.12,57.78 69.41,59.5 69.41,100.14 69.85,100.58 v1(69.85,117.47) ; v1(96.14,115.95) 96.14,112.78 U26.17
/Address-Logic/~{EXP_EN}: length 136.3
  Top w0.152: v1(96.39,98.04) 89.66,98.04 86.99,95.38 v1(80.26,95.38) ; v1(80.77,57.02) 80.64,57.15 51.31,57.15 51.18,57.02 31.24,57.02 30.73,57.53 9.91,57.53 P3.43
  Bottom w0.152: v1(80.77,57.02) 80.77,93.6 80.26,94.11 v1(80.26,95.38) ; U26.14 96.39,102.11 v1(96.39,98.04)
/Address-Logic/~{IO_EN}: length 55
  Top w0.152: v1(86.11,103.5) U26.11
  Bottom w0.152: v1(86.11,103.5) 86.11,52.96 U23.19
/Address-Logic/~{IRQ_EN}: length 66.8
  Top w0.152: U16.5 143.38,146.81 141.1,146.81 U16.3 137.41,143.13 134.24,143.13 131.45,140.33 v1(99.06,140.33) ; v1(99.06,123.82) U26.22
  Bottom w0.152: v1(99.06,140.33) v1(99.06,123.82)
/Address-Logic/~{MAP_RD}: length 66
  Top w0.152: v1(30.48,50.16) v1(64.77,50.16) v1(88.9,50.16)
  Bottom w0.152: v1(30.48,50.16) U24.11 ; v1(64.77,50.16) U25.11 ; U23.18 v1(88.9,50.16)
/Address-Logic/~{MEM_EN}: length 127.1
  Top w0.152: U27.6 130.3,43.31 v1(95.25,43.31) ; v1(101.6,126.36) U26.23
  Bottom w0.152: v1(95.25,43.31) 95.25,82.04 101.6,88.39 v1(101.6,126.36)
/Address-Logic/~{MEM_RD}: length 129.1
  Top w0.152: U23.13 104.14,50.16 112.39,50.16 113.92,48.64 119.25,48.64 121.16,50.55 v1(129.54,50.55) ; v1(102.74,57.02) v1(81.53,57.02)
  Bottom w0.152: U28.19 81.53,123.57 v1(81.53,57.02) ; v1(102.74,57.02) 102.74,53.85 U23.13 ; U27.16 v1(129.54,50.55)
/Address-Logic/~{MEM_WR}: length 114.4
  Top w0.152: v1(132.08,50.04) 121.54,50.04 119.51,48.01 113.79,48.01 112.14,49.66 v1(62.23,49.66) v1(27.94,49.66)
  Bottom w0.152: U25.12 v1(62.23,49.66) ; U24.12 v1(27.94,49.66) ; U27.15 v1(132.08,50.04)
/Address-Logic/~{PAR_EN}: length 138
  Top w0.152: v1(92.84,42.42) 61.09,42.42 59.82,41.15 50.76,41.15 48.39,38.77 48.39,38.73 ; v1(89.66,53.85) v1(92.71,53.85) ; v1(88.14,94.87) v1(100.58,94.87)
  Bottom w0.152: v1(92.71,53.85) 92.71,42.54 v1(92.84,42.42) ; v1(100.58,94.87) 100.58,114.94 99.31,116.2 U26.19 ; v1(88.14,94.87) 88.14,62.23 89.66,60.71 v1(89.66,53.85)
/Address-Logic/~{PS2_EN}: length 148.4
  Top w0.152: v1(49.66,27.3) 59.05,27.3 U29.2 ; v1(55.5,114.94) 91.57,114.94 92.84,113.66 U26.18
  Bottom w0.152: v1(55.5,114.94) 54.99,115.44 50.04,115.44 49.15,114.55 49.15,39.88 49.66,39.37 v1(49.66,27.3)
